# Altium PCB PCB5.PcbDoc
Units mil, origin at the board's own origin, x right, y up, seen from the top; angles counter-clockwise.
Board outline 1278.5 x 1165 mil, 2 copper layers (Top Layer, Bottom Layer); 33 components, 20 nets, 127 pads, 31 vias.
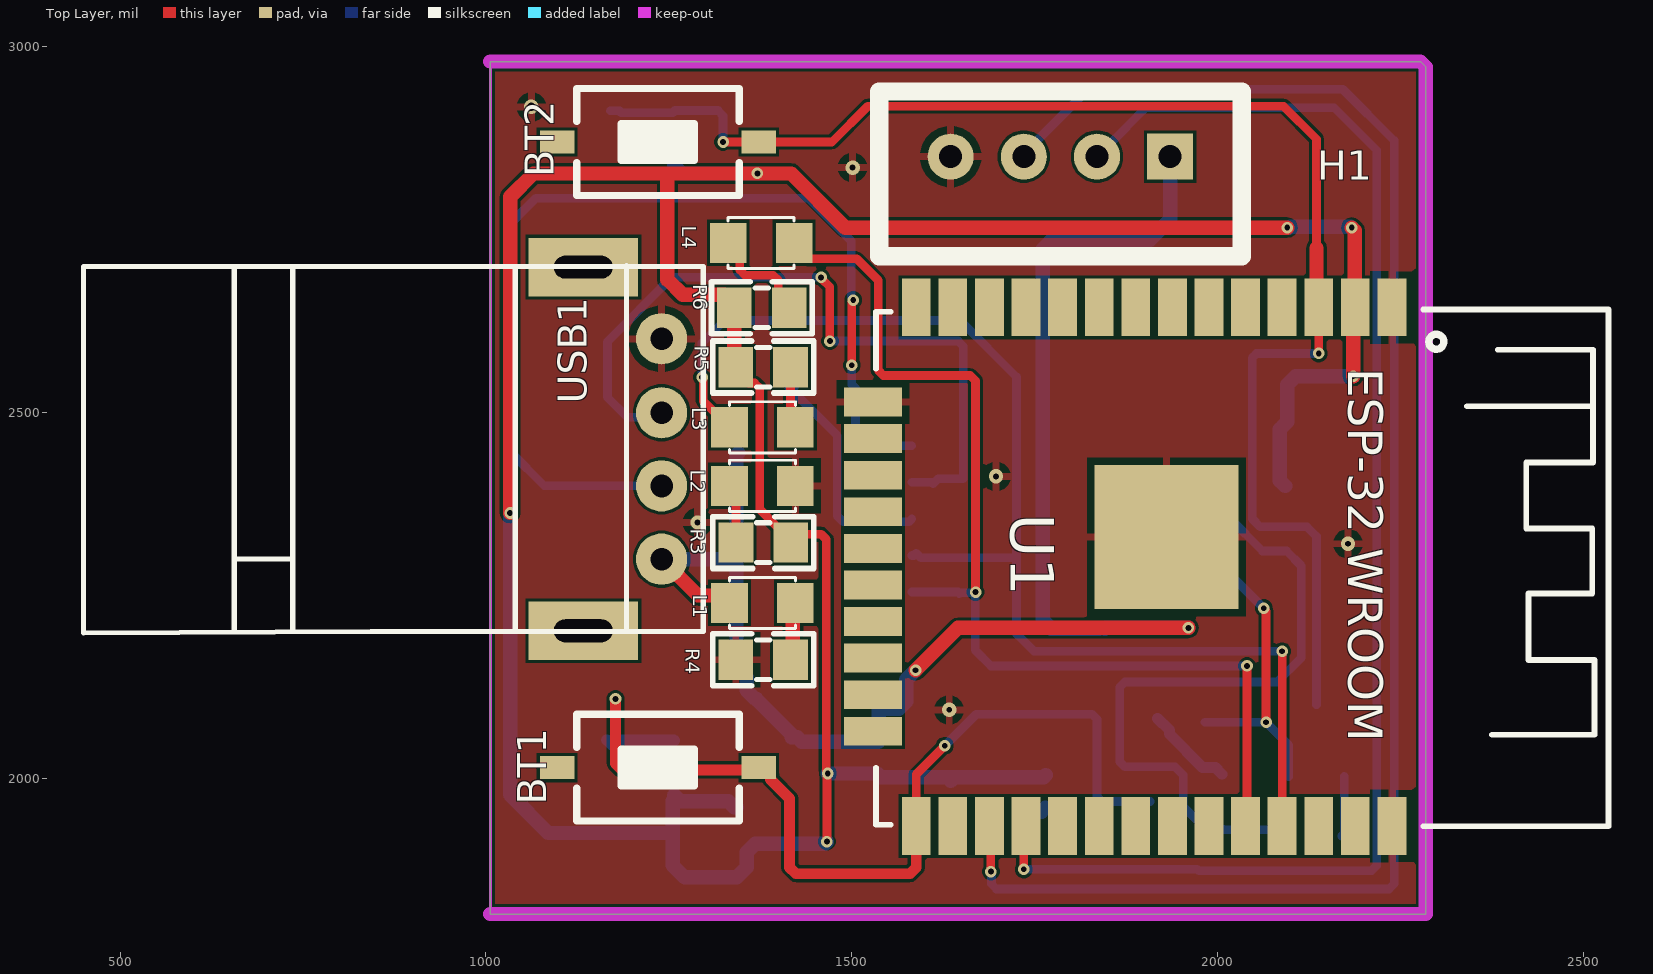
[diagram p0: Top Layer view]
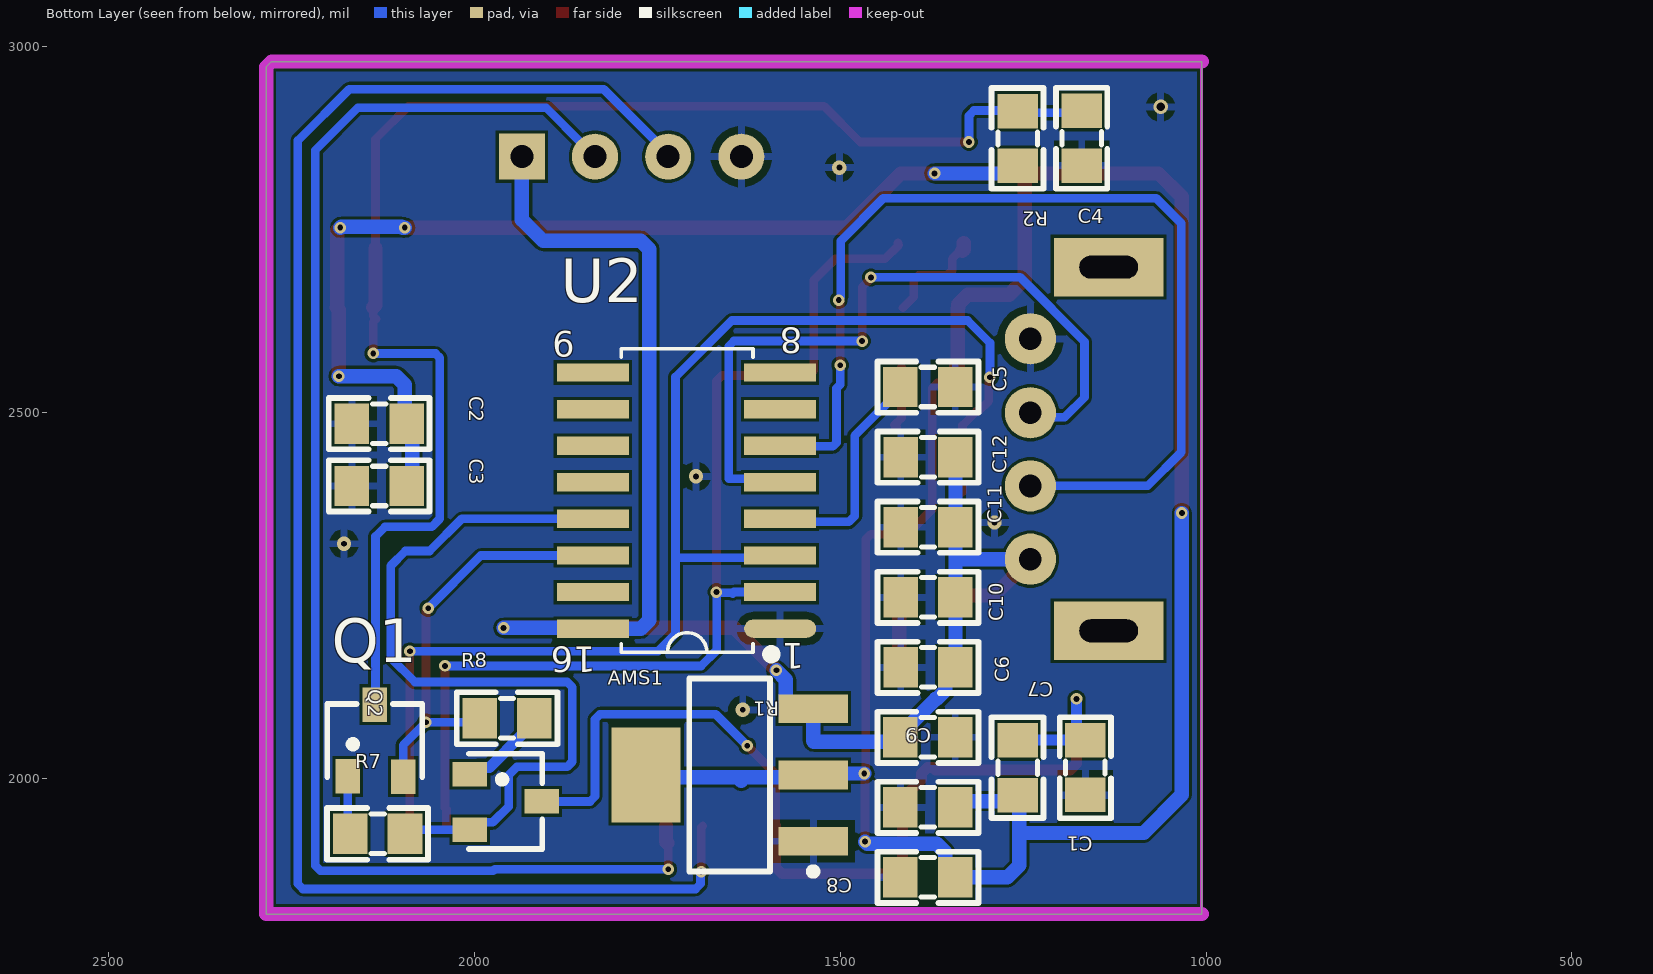
[diagram p1: Bottom Layer view, seen from below]

## Layer stack, top to bottom
Top Solder: solder mask 0.4, Solder Resist, Dk 3.5
Top Layer: signal copper 1.4
Dielectric 1: dielectric 12.6, FR-4, Dk 4.8
Bottom Layer: signal copper 1.4
Bottom Solder: solder mask 0.4, Solder Resist, Dk 3.5

## Board outline
1006,1815 2284.5,1815 2284.5,2972.5 2277,2980 1006,2980

## Design rules (kind name [scope] priority, off if disabled: settings)
Clearance [All] p1: gap=3.94 ignorepadtopadclearanceinfootprint=FALSE
PolygonConnect [All] p1: connectstyle=Relief reliefconductorwidth=10 reliefentries=4 polygonreliefangle="90 Angle" airgapwidth=10
RoomDefinition Sheet9 [InComponentClass('Sheet9')] p1: confinementstyle=ConfineIn formatcopy=TRUE lockcomponents=FALSE outline 0,0 2000,0 2000,1000 0,1000
RoutingVias [All] p1: holewidth=15.75 width=15.75 viastyle="Through Hole" minholewidth=7.87 minwidth=15.75 maxholewidth=11.81 maxwidth=27.56
SolderMaskExpansion [All] p1: expansion=4 istentingtop=FALSE
Width [All] p1: maxlimit=39.37 minlimit=11.81 preferedwidth=19.68
30 further rules are at their usual default settings.

## Components (designator, comment, footprint, x,y, rotation, side; value= is the part's Value field where it differs from the comment)
AMS1 "AMS1117-3.3V" SOT223 1651,2005 r90 bottom value="AMS1117-3.3V SOT223"
BT1 "Nut Nhan 2 Chan SMD 3x6x2.5" "Nut Nhan 2 Chan SMD 3x6x2.5" 1235,2015 r0 top
BT2 "Nut Nhan 2 Chan SMD 3x6x2.5" "Nut Nhan 2 Chan SMD 3x6x2.5" 1235,2870 r0 top
C1 "104" "tu 0805" 1165,2015 r90 bottom
C2 "106" "tu 0805" 2130,2485 r180 bottom
C3 "104" "tu 0805" 2130,2400 r180 bottom
C4 "104" "tu 0805" 1170,2875 r90 bottom
C5 "104" "tu 0805" 1380,2535 r0 bottom
C6 "106" "tu 0805" 1380,2152.14 r180 bottom
C7 "104" "tu 0805" 1380,2056.43 r0 bottom
C8 "104" "tu 0805" 1380,1865 r0 bottom
C9 "106" "tu 0805" 1380,1960.71 r0 bottom
C10 "106" "tu 0805" 1380,2247.86 r180 bottom
C11 "104" "tu 0805" 1380,2343.57 r180 bottom
C12 "104" "tu 0805" 1380,2439.29 r180 bottom
H1 "Header 4P 2.54 Duc Thang" XH2.54M-4 1935,2850 r180 top
L1 "LED 0805" LED-0805-Red 1332.77,2240.06 r0 top
L2 "LED 0805" LED-0805-Red 1332.77,2400.06 r0 top
L3 "LED 0805" LED-0805-Red 1422.77,2480.06 r180 top
L4 "LED 0805" LED-0805-Red 1331,2732 r0 top
Q1 "BC817" SOT-23 2136,2052 r180 bottom value=C9014
Q2 "BC817" SOT-23 1957,1969 r270 bottom value=C9014
R1 "10k" "Tro SMD 0805" 1255,2015 r270 bottom
R2 "10k" "Tro SMD 0805" 1255,2875 r270 bottom
R3 "330" "tro smd 0805" 1378.94,2325 r0 top
R4 "330" "tro smd 0805" 1378.94,2160 r180 top
R5 "330" "tro smd 0805" 1378.94,2560 r180 top
R6 "330" "tro smd 0805" 1377,2641 r180 top
R7 "10k" "tro smd 0805" 2132.2,1927 r180 bottom
R8 "10k" "tro smd 0805" 1955,2080 r0 bottom
U1 "ESP32-S" ESP-32WR 2238,2644 r270 top
U2 "CH340C" SOIC16_50_284_25X90_SMT 1710,2379 r0 bottom
USB1 "USB A DN DIP" "USB A DN DIP" 1240,2300 r90 top

## Footprints (in the part's own frame and the unit in brackets; to place one, negate y for a bottom-side part, rotate by r counter-clockwise, add the part's x,y. Pads: shape width x height; smd on the part's side, far side on the other; paste and mask are expansions set on the pad)
ESP-32WR [mm]
  rect 2x1 smd: 1(0,0) 2(0,-1.27) 3(0,-2.54) 4(0,-3.81) 5(0,-5.08) 6(0,-6.35) 7(0,-7.62) 8(0,-8.89) 9(0,-10.16) 10(0,-11.43) 11(0,-12.7) 12(0,-13.97) 13(0,-15.24) 14(0,-16.51) 25(18,-16.51) 26(18,-15.24) 27(18,-13.97) 28(18,-12.7) 29(18,-11.43) 30(18,-10.16) 31(18,-8.89) 32(18,-7.62) 33(18,-6.35) 34(18,-5.08) 35(18,-3.81) 36(18,-2.54) 37(18,-1.27) 38(18,0)
  rect 1x2 smd: 15(3.285,-18.01) 16(4.555,-18.01) 17(5.825,-18.01) 18(7.095,-18.01) 19(8.365,-18.01) 20(9.635,-18.01) 21(10.905,-18.01) 22(12.175,-18.01) 23(13.445,-18.01) 24(14.715,-18.01)
  rect 5x5 smd: 38(7.976,-7.823)
  silkscreen extent 0.08,-17.91 18.01,7.52, body extent 0.04,-17.98 18.04,7.52, height 2.91
LED-0805-Red [mil]
  rect 50x55 smd: 1(0,0) 2(90,0)
  silkscreen extent 0,-35 90,35, body extent 5,-25 85,25, height 43
"Nut Nhan 2 Chan SMD 3x6x2.5" [mm] "Switch SMD type"
  rect 1.2x0.8 smd: 1(-3.5,0) 2(3.5,0)
  silkscreen extent -2.82,-1.85 2.82,1.85, body extent -3.05,-1.85 3.05,1.85, height 2.5
SOIC16_50_284_25X90_SMT [mm]
  oval 2.5x0.635 smd mask+0.076: 1(-3.25,4.42)
  rect 2.5x0.635 smd mask+0.076: 2(-3.25,3.15) 3(-3.25,1.88) 4(-3.25,0.61) 5(-3.25,-0.66) 6(-3.25,-1.93) 7(-3.25,-3.2) 8(-3.25,-4.47) 9(3.25,-4.47) 10(3.25,-3.2) 11(3.25,-1.93) 12(3.25,-0.66) 13(3.25,0.61) 14(3.25,1.88) 15(3.25,3.15) 16(3.25,4.42)
  silkscreen extent -3.07,-5.3 2.26,5.44, body extent -3.02,-4.97 2.98,4.93, height 1.4
SOT223 [mm]
  rect 1x2.4 smd: 1(-2.3,-2.9) 2(0,-2.9) 3(2.3,-2.9)
  rect 3.3x2.4 smd: 4(0,2.9)
  silkscreen extent -3.47,-3.02 3.35,1.4, body extent -3.25,-3.56 3.25,3.4, height 1.68
SOT-23 [mm] "SOT 23 _ 1-3-2"
  rect 0.85x1.2 smd: 1(-0.94,-1.245) 2(0.985,-1.25) 3(0.005,1.25)
  silkscreen extent -1.65,-1.27 1.65,1.27, body extent -1.47,-1.33 1.53,1.17, height 1.06
"Tro SMD 0805" [mm]
  rect 1.2x1.4 smd: 1(-0.946,-0.061) 2(0.954,-0.061)
  silkscreen extent -1.75,-0.97 1.75,0.84, body extent -1.56,-0.76 1.44,0.64, height 0.53
"tro smd 0805" [mm]
  rect 1.2x1.4 smd: 1(-0.946,-0.061) 2(0.954,-0.061)
  silkscreen extent -1.75,-0.97 1.75,0.84, body extent -1.56,-0.76 1.44,0.64, height 0.53
"tu 0805" [mm] "Compoment SMD 80x50mil"
  rect 1.2x1.4 smd: 1(-0.946,-0.003) 2(0.954,-0.003)
  silkscreen extent -1.75,-0.89 1.75,0.89, body extent -1.01,-0.64 1.01,0.63, height 0.61
"USB A DN DIP" [mil]
  round 70 hole 31: 1(0,0) 2(100,0) 3(200,0) 4(301,0)
  rect 80x150 hole 31 slot 80 at 90 deg: 5(-98,107) 6(399,107)
  silkscreen extent -101,-57 401,790, body extent -97,0 399,784, height 177
XH2.54M-4 [mm]
  rect 1.6x1.6 hole 0.8: 1(0,0)
  round 1.6 hole 0.8: 2(2.54,0) 3(5.08,0) 4(7.62,0)
  silkscreen extent -2.48,-2.26 10.1,3.46, body extent -2.48,-2.26 10.1,3.48, height 6.91

## Part data
AMS1: library part "AMS1117 SMD", "Dán", Chung_Loai=Dán, Don_Vi=Con, Ma_Hang=MH000596
C1 C2 C3 C4 C5 C6 C7 C8 C9 C10 C11 C12: library part "Tu 0805 104 50V 10%", "Dán", Chung_Loai=Dán, Don_Vi=Con, Ma_Hang=MH004551, So_Chan=2, Ten_Linh_Kien="Tụ 0805 104-100nF 10% 50V"
H1: "Cắm", Chung_Loai=Cắm, Don_Vi=Con, Ma_Hang=MH001285, Ten_Linh_Kien="Header 4P XH2.54-4P Đực Thẳng"
L1 L2 L3 L4: library part "LED 0805 Do", "Dán", Chung_Loai=Dán, Don_Vi=Con, Ma_Hang=MH000897, Ten_Linh_Kien="LED 0805 Màu Đỏ (Red)"
Q1 Q2: library part "Trans BC817", "SOT-23 - C8658"
R1 R2: library part "Tro 0805 5% 82k", "Dán", Chung_Loai=Dán, Don_Vi=Con, Ma_Hang=MH005329, So_Chan=2, Ten_Linh_Kien="Trở 0805 5% 82k"
R3 R4 R5 R6 R7 R8: library part "Tro 0805 1% 10k", "Dán", Chung_Loai=Dán, Don_Vi=Con, Ma_Hang=MH005473, So_Chan=2, Ten_Linh_Kien="Trở 0805 1% 10k"
U2: "USB Bridge, USB to UART USB 2.0 UART Interface", Alternate Part Number-1=NA, Case/Package=SOIC16, Manufacturer=Olimex, Supplier Part Number-1=C84681, Manufacturer Part Number=CH340C, Supplier-1=LCSC
USB1: "USB Type A", Ma_Hang=MH000940, Ten="USB A Đực DIP"
BT1 BT2: Ma_Hang=MH001036, Ten="Nút Nhấn 2 Chân 3x6x2.5MM SMD"

## Via types
v1: diameter 15.75, hole 7.87, Top Layer to Bottom Layer, 25 vias
v2: diameter 19.68, hole 7.87, Top Layer to Bottom Layer, 5 vias
v3: diameter 19.68, hole 11.81, Top Layer to Bottom Layer, 1 vias

## Nets (pads, with @x,y where several pads share a name; then routed paths per layer and width w, separated by ;. In a path a pad name is that pad's centre, name@x,y a point inside that pad or via, vN(x,y) a via of type N, cw(c..) or ccw(c..) an arc to the next point about the centre after c; other vN are vias at no path point)
+3.3V: AMS1.2 AMS1.4 C2.2 C3.2 C8.1 C9.1 R1.2 R2.2 R3.2 R5.2 R6.2 U1.2 | length 4650.1
  Top Layer w11.81: R5.2 1341.36,2558.46 1359.08,2540.74 1367.11,2540.74 1374.03,2533.82 1374.03,2368.09 1397.86,2344.26 1398.8,2344.26 1416.51,2326.54 R3.2@1416.51,2323.61 ; R3.2 R3.2@1416.51,2323.61 ; v1@1466,1919 v1@1466,2007 ; v1(1467,2007) 1467,2008.07 1465.03,2010.03 1465.03,2327.11 1458.11,2334.03 1426.94,2334.03 R3.2@1416.51,2323.61
  Top Layer w19.68: v1(1033,2363) 1033,2795 1065,2827 1248,2827 ; R6.2@1338.46,2644.36 1338.46,2648.3 1325.65,2661.11 1268.89,2661.11 1248,2682 1248,2827 ; R6.2@1339.43,2642.46 1339.43,2564.33 R5.2 ; v1(2095,2753) 1491,2753 1417,2827 v1(1371,2827) 1248,2827 ; v1(2183,2753) 2187,2749 2187,2645 U1.2 2185,2641 v1(2185,2550)
  Bottom Layer w19.68: v1(1033,2363) 1033,1978 1085.23,1925.77 1255,1925.77 ; R2.2 1267.82,2827 v1(1371,2827) ; C9.1 1339.15,1960.85 1330.86,1969.14 1265.68,1969.14 R1.2 1257.39,1972.39 1255,1970 1255,1925.77 ; v1(1466,1914) 1463,1911 1368.08,1911 1356.55,1899.47 1356.55,1878.91 C8.1 1271.4,1865.13 1255,1881.53 1255,1925.77 ; v1(1467,2007) 1534.83,2007 AMS1.2 1539.83,2002 1640,2002 ; 1635,1997 1640,2002 ; AMS1.4@1759.17,1955 AMS1.4@1764.17,1960 ; AMS1.4 1762.17,2002 1640,2002 ; C3.2 2085,2407.29 2085,2477.44 C2.2 2095,2487.44 2095,2538.47 2106.53,2550 v1(2185,2550) ; v1(2095,2753) 2098,2753 2099,2754 2182,2754 v1(2183,2753)
+5: AMS1.3 C6.2 C7.2 C10.2 C11.2 C12.2 H1.1 L1.1 U2.16 USB1.1 | length 2276
  Top Layer w19.68: USB1.1 1289.78,2250.22 1322.61,2250.22 L1.1 ; v1(1587,2148) 1645,2206 v1(1960,2206)
  Bottom Layer w19.68: USB1.1 1337.43,2300 1342.43,2295 ; C12.2@1345,2445 1342.43,2442.43 C12.2 C11.2 1342.43,2295 ; v1(1587,2148) 1574.23,2135.23 1574.23,2105.39 1564.39,2095.55 AMS1.3 1536.83,2051.55 1535.83,2050.55 1431.35,2050.55 1428,2053.91 1428,2054 1425.44,2056.56 C7.2 1417.57,2060.5 1369.07,2109 1367.74,2109 1356.2,2120.53 1356.2,2138.23 C6.2 C10.2 1342.43,2295 ; U2.16 1772.53,2204.98 1761,2216.51 1761,2723.47 1772.53,2735 1906,2735 1935,2764 H1.1 ; U2.16@1845.99,2204.98 1847.01,2206 v1(1960,2206)
BOOT_ESP: BT1.2 C1.2 Q2.3 R1.1 U1.25 | length 1377
  Top Layer w11.81: U1.25 1588,2006 v1(1627,2045)
  Top Layer w15: v1(1177,2109) 1177,2020.79 1185.79,2012 1369.8,2012 BT1.2 1380.67,2015 1388.92,2006.75 1388.92,1998.88 1415,1972.8 1415,1878.79 1423.79,1870 1579.21,1870 1588,1878.79 U1.25
  Bottom Layer w11.81: v1(1627,2045) 1670,2088 1828.08,2088 1835,2081.08 1835,1975.72 1841.92,1968.8 Q2.3
  Bottom Layer w15: C1.2 1165.43,2052.57 1173,2045 1177,2049 C1.2@1177,2052.57 ; v1(1177,2109) C1.2@1177,2052.57 ; R1.1 1257.05,2052.57 C1.2@1177,2052.57
GND: AMS1.1 C1.1 C2.1 C3.1 C4.1 C5.1 C6.1 C7.1 C8.2 C9.2 C10.1 C11.1 C12.1 H1.4 L2.2 R4.2 U1.1 U1.15 U1.38 U2.1 USB1.4
  other v2: 1633,2094 2178,2321 1289,2350 1697,2413 1501,2835
  other v3: 1062,2918
NetC5_2: C5.2 U2.4 | length 318.7
  Bottom Layer w11.81: C5.2@1420,2540 1420,2528.77 1480,2468.77 1480,2359 1488,2351 1578.07,2351 U2.4
  Bottom Layer w19.68: C5.2 1417.57,2537.57 C5.2@1420,2540
NetH1_2: H1.2 U1.28 | length 1986.1
  Top Layer w11.81: v1(1735,1876) 1735,1911 U1.28@1736,1912
  Top Layer w19.68: U1.28@1736,1912 1738,1914 U1.28 ; H1.2@1825,2843 1832,2850 H1.2
  Bottom Layer w11.81: v1(1735,1876) 1972.11,1876 1974.11,1874 2210.16,1874 2217.08,1880.92 2217.08,2858.92 2159,2917 1902,2917 1851.72,2866.72 1844.28,2866.72 1839,2872 1835,2868 H1.2
NetH1_3: H1.3 U1.27 | length 2227.6
  Top Layer w11.81: U1.27 1690,1933.34 v1(1690,1873)
  Bottom Layer w11.81: v1(1690,1873) 1690.75,1872.25 1690.75,1856.17 1697.67,1849.25 2234.08,1849.25 2241,1856.17 2241,2872 2171,2942 1823,2942 1735,2854 H1.3
NetL1_2: L1.2 R4.1 | length 93.2
  Top Layer w19.68: R4.1 1416.17,2156.83 1417,2156 1419.47,2158.47 1419.47,2236.76 L1.2
NetL2_1: L2.1 R3.1 | length 81.2
  Top Layer w11.81: L2.1 1332.77,2392.23 1341.71,2383.29 R3.1
NetL3_1: L3.1 R5.1 | length 87.9
  Top Layer w11.81: R5.1 1416.17,2492.83 1426,2483 1423.06,2480.06 L3.1
NetL4_1: L4.1 R6.1 | length 147.6
  Top Layer w11.81: L4.1@1333,2721 1336.41,2721 1347,2710.41 1347,2695 1354,2688 1392.38,2688 1399.3,2681.08 1399.3,2658.32 R6.1
  Top Layer w19.68: L4.1 1331,2723 L4.1@1333,2721
NetQ1_1: Q1.1 R7.1 | length 82.8
  Bottom Layer w11.81: R7.1@2169.43,1921.66 2173,1925.24 Q1.1
NetQ1_2: Q1.2 R8.2 U2.14 | length 582.6
  Top Layer w11.81: v1(2063,2233) 2063,2231.93 2066,2228.93 v1(2066,2077)
  Bottom Layer w11.81: U2.14 1991.02,2304.98 v1(2063,2233) ; R8.2@1982.65,2077 1992.57,2077 v1(2066,2077) 2097.2,2045.8 Q1.2
NetQ2_1: Q2.1 R8.1 | length 123.1
  Bottom Layer w15: R8.1 1933.89,2066.27 1933.89,2060.73 1979.39,2015.23 1996.77,2015.23 Q2.1
NetQ2_2: Q2.2 R7.2 U2.13 | length 1092.8
  Bottom Layer w11.81: U2.13 2017.02,2354.98 2061.02,2310.98 2094.1,2310.98 2114,2291.08 2114,2165 2081,2132 1872.92,2132 1866,2125.08 1866,2022.92 1872.92,2016 1942,2016 1953,2005 1953,1962 1974.61,1940.39 1996.03,1940.39 Q2.2 2007.2,1930.2 2008,1931 2008.8,1930.2 2092.96,1930.2 2094.62,1928.54 R7.2
NetU2_5: U2.5 USB1.3 | length 1024
  Top Layer w11.81: v1(1458,2685) 1458,2683.93 1470,2671.93 v1(1470,2598)
  Bottom Layer w11.81: USB1.3 1233.69,2493.69 1193.31,2493.69 1166,2521 1166,2597 1254,2685 v1(1458,2685) ; v1(1470,2598) 1645.08,2598 1652,2591.08 1652,2410 1618,2410 1611,2403 1609.02,2404.98 U2.5
NetU2_6: U2.6 USB1.2 | length 1400.8
  Top Layer w11.81: v1(1500,2565) 1500,2650.93 1502,2652.93 v1(1502,2654)
  Bottom Layer w11.81: USB1.2 1080,2400 1034,2446 1034,2759 1068,2793 1441,2793 1499.25,2734.75 1499.25,2657.82 1502,2655.07 v1(1502,2654) ; v1(1500,2565) 1500,2538.5 1505,2533.5 1505,2459 1510,2454 1566,2454 1566.98,2454.98 U2.6
RESET_ESP: BT2.2 C4.2 Q1.3 R2.1 U1.3 | length 1984
  Top Layer w11.81: v1(1324,2870) BT2.2 1472.75,2870 1521.75,2919 2090,2919 2135,2874 2135,2725 ; v1(2138,2581) 2138,2624 2134,2628 2138,2632 U1.3
  Top Layer w19.68: 2135,2725 2135,2647 U1.3
  Bottom Layer w11.81: C4.2 1182.43,2912.57 1185,2910 1255.17,2910 R2.1 1258.17,2913 1317,2913 1324,2906 v1(1324,2870) ; Q1.3@2135,2101.21 2135,2331 2122,2344 2058,2344 2047,2355 2047,2575 2053,2581 v1(2138,2581)
RX0: L4.2 U1.34 U2.2 | length 1457.5
  Top Layer w11.81: L4.2 1421,2730 1420,2729 1438.59,2710.41 1506.59,2710.41 1536,2681 1536,2557.92 1542.92,2551 1661.69,2551 1669,2543.69 v1(1669,2255) ; U1.34 2038,1958 2040,1960 v1(2040,2154)
  Bottom Layer w11.81: U2.2 1645.02,2254.98 1647,2253 1648.25,2254.25 1668.25,2254.25 v1@1668.61,2254.61 ; v1(1669,2255) v1@1668.61,2254.61 ; v1(2040,2154) 1690,2154 1668.61,2175.39 v1@1668.61,2254.61
TX0: L3.2 U1.35 U2.3 | length 1715.8
  Top Layer w11.81: v1(1295.31,2548.38) 1295.31,2547.32 1297,2545.62 1297,2515.83 1311.18,2501.66 1313.68,2501.66 1332.77,2482.56 L3.2 ; U1.35 v1(2088,2174)
  Bottom Layer w11.81: v1(1295.31,2548.38) 1295.31,2595.31 1326,2626 1648,2626 1725,2549 1725,2302 ; U2.3 1584.98,2304.98 1588,2308 1594,2302 1725,2302 ; v1(2088,2174) 2003.25,2174 1749,2174 1725,2198 1725,2302
pads on no net: BT1.1 BT2.1 U1.4 U1.5 U1.6 U1.7 U1.8 U1.9 U1.10 U1.11 U1.12 U1.13 U1.14 U1.16 U1.17 U1.18 U1.19 U1.20 U1.21 U1.22 U1.23 U1.24 U1.26 U1.29 U1.30 U1.31 U1.32 U1.33 U1.36 U1.37 U2.7 U2.8 U2.9 U2.10 U2.11 U2.12 U2.15 USB1.5 USB1.6

## Polygon pours and split planes (outlines as drawn)
GND on Bottom Layer "GND_L02_P000" (solid, pour order 0): 1004,2980 1006,2978 1006,1814 2286,1814 2284,1816 2284,2979 2283,2980 1005,2980
GND on Top Layer "GND_L01_P001" (solid, remove dead copper, pour order 1): 1006,2977 1006,2983 1009,2980 2283,2980 2283,1815 2282,1816 1005,1816 1007,1818 1007,2980

## Keep-outs
Keep-Out Layer:
  lines w4: 1006,1815 1006,2980
  lines w19.68: 1006,1815 1061,1815 2284.5,1815 2284.5,2972.5 2277,2980 1006,2980

## Text inside footprints (layer, text, board x,y; h text height)
U1: Top Overlay "ESP-32 WROOM" at 2162.4,2560.8 h80 r270
U2: Bottom Overlay "1" at 1549.02,2184.98 h35 r180; Bottom Overlay "8" at 1551.89,2616.48 h35 r180; Bottom Overlay "9" at 1862.67,2611.63 h35 r180; Bottom Overlay "16" at 1834.02,2179.98 h35 r180